# Altium PCB LimeSDR-X3_1v2.PcbDoc (part 3 of 25)
Units mm, origin at the board's own origin, x right, y up, seen from the top; angles counter-clockwise.
Board outline 232.5 x 111.15 mm, 12 copper layers (Top, L2, L3, L4, L5, L6, L7, L8, L9, L10, L11, Bottom), stack 1.596 mm thick; 2084 components, 1388 nets, 8919 pads, 3667 vias.
Unrouted connection lines stored in the file: 1.
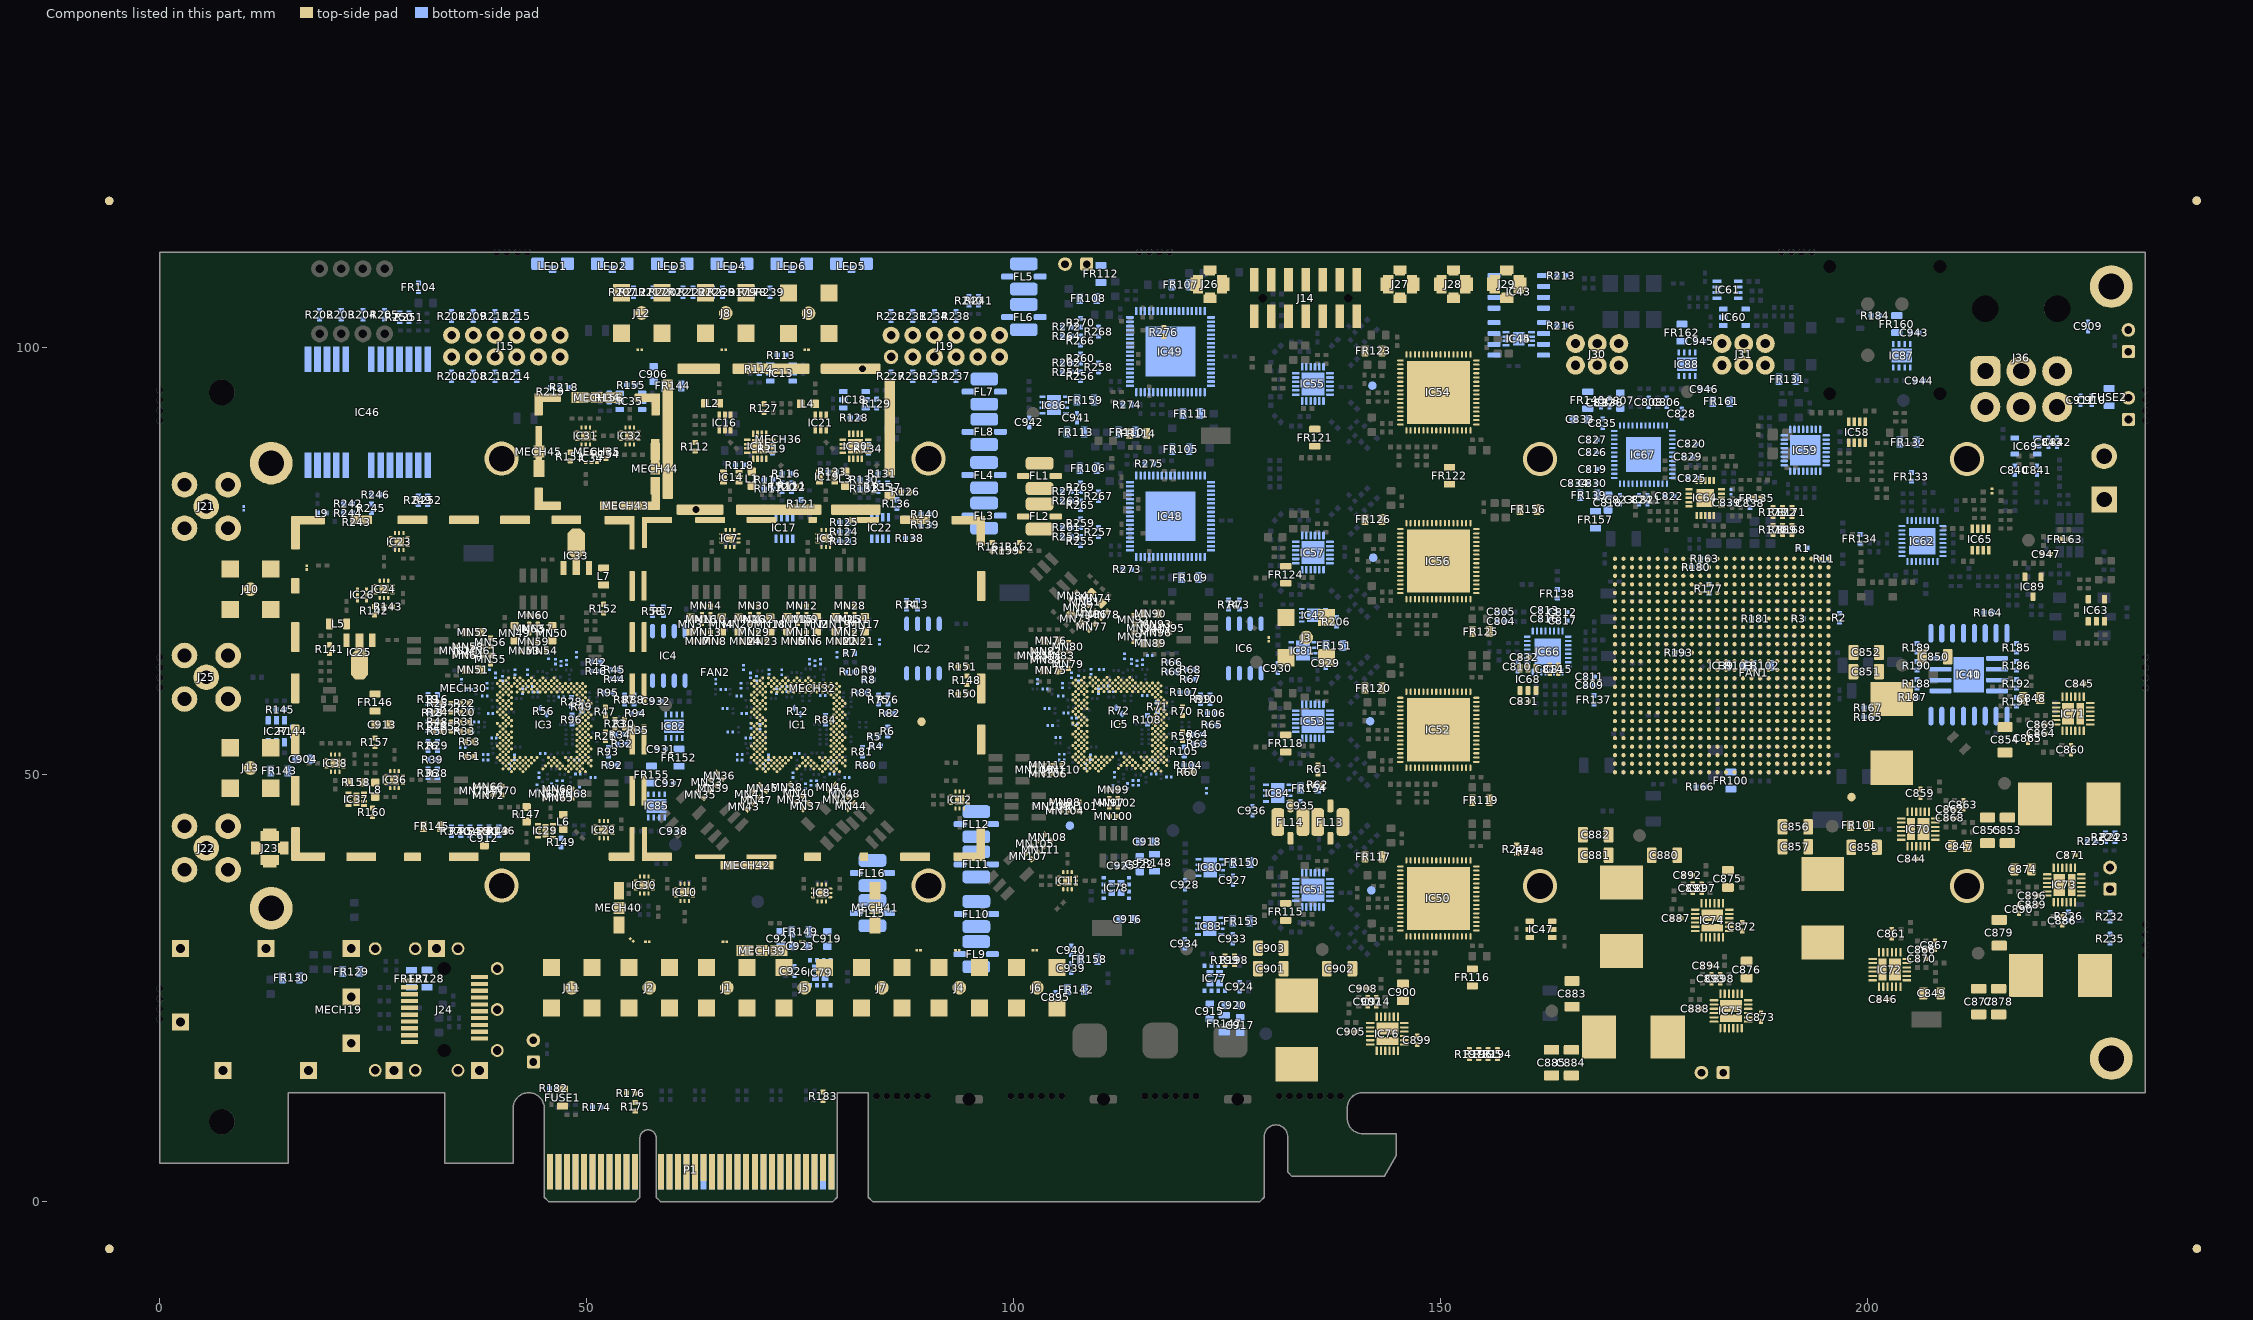
[diagram p13: the components of this part, seen from the top]

## Components (designator, comment, footprint, x,y, rotation, side; value= is the part's Value field where it differs from the comment) (continued)
C804 "47pF, 50V" CAP0402#1 157.089,67.943 r0 bottom
C805 "47pF, 50V" CAP0402#1 157.089,69.043 r0 bottom
C806 "100nF, 16V" CAP0402#1 176.435,93.589 r270 bottom
C807 "10uF, 6.3V" CAP0603#1 171.01,93.789 r90 bottom
C808 "1uF, 10V" CAP0402#1 174.345,93.589 r90 bottom
C809 "2.2uF, 16V" CAP0402#1 167.45,60.45 r0 bottom
C810 "100nF, 16V" CAP0402#1 158.954,62.65 r90 bottom
C811 "100pF, 50V" CAP0402#1 167.45,61.45 r0 bottom
C812 "2.2uF, 16V" CAP0402#1 164.239,69.015 r180 bottom
C813 "100nF, 16V" CAP0402#1 162.139,69.24 r180 bottom
C814 "100pF, 50V" CAP0402#2 162.75,62.354 r270 top
C815 "100pF, 50V" CAP0402#2 163.75,62.354 r270 top
C816 "100pF, 50V" CAP0402#1 162.139,68.24 r180 bottom
C817 "100pF, 50V" CAP0402#1 164.239,68.015 r180 bottom
C818 "10uF, 6.3V" CAP0603#1 169.56,81.844 r270 bottom
C819 "1uF, 10V" CAP0402#1 167.793,85.753 r180 bottom
C820 "1uF, 10V" CAP0402#1 179.374,88.725 r0 bottom
C821 "100nF, 16V" CAP0402#1 174.185,82.189 r90 bottom
C822 "100nF, 16V" CAP0402#1 176.76,82.614 r0 bottom
C823 "100nF, 16V" CAP0402#1 170.957,82.192 r90 bottom
C824 "100nF, 16V" CAP0402#1 173.185,82.189 r90 bottom
C825 "100nF, 16V" CAP0402#1 179.449,84.725 r180 bottom
C826 "100nF, 16V" CAP0402#1 167.793,87.728 r0 bottom
C827 "100nF, 16V" CAP0402#1 167.793,89.225 r0 bottom
C828 "100nF, 16V" CAP0402#1 178.199,92.275 r270 bottom
C829 "100nF, 16V" CAP0402#1 178.949,87.225 r180 bottom
C830 "100nF, 16V" CAP0402#1 167.785,84.114 r0 bottom
C831 "100nF, 16V" CAP0402#2 159.752,58.565 r180 top
C832 "100nF, 16V" CAP0402#2 159.777,63.74 r0 top
C833 "10uF, 6.3V" CAP0603#1 166.335,91.614 r180 bottom
C834 "1uF, 10V" CAP0402#1 165.685,84.114 r0 bottom
C835 "100nF, 16V" CAP0402#1 168.935,91.139 r90 bottom
C836 "100nF, 16V" CAP0402#1 169.735,93.564 r270 bottom
C837 "100pF, 50V" CAP0402#1 168.735,93.564 r270 bottom
C838 "100nF, 16V" CAP0402#1 186.225,81.775 r270 bottom
C839 "2.2uF, 16V" CAP0402#1 183.475,81.825 r0 bottom
C840 "100nF, 16V" CAP0402#1 217.2,85.625 r270 bottom
C841 "100nF, 16V" CAP0402#1 219.8,85.625 r270 bottom
C842 "100nF, 16V" CAP0402#1 222.15,88.925 r270 bottom
C843 "100pF, 50V" CAP0402#1 221.15,88.925 r90 bottom
C844 "100nF, 16V" CAP0402#2 205.15,40.125 r180 top
C845 "100nF, 16V" CAP0402#2 224.775,60.625 r0 top
C846 "100nF, 16V" CAP0402#2 201.8,23.675 r180 top
C847 "10uF, 25V" CAP0805#1 210.75,41.625 r180 top
C848 "10uF, 25V" CAP0805#2 219.175,58.95 r0 top
C849 "10uF, 25V" CAP0805#2 207.5,24.375 r180 top
C850 "220uF, 4V" CAP1206#2 207.85,63.8 r180 top
C851 "47uF, 6.3V" CAP1206#2 199.8,62.05 r0 top
C852 "220uF, 4V" CAP1206#2 199.8,64.301 r0 top
C853 "220uF, 4V" CAP1206#2 216.325,43.475 r90 top
C854 "47uF, 6.3V" CAP1206#2 216.05,54.075 r270 top
C855 "220uF, 4V" CAP1206#2 214,43.475 r90 top
C856 "220uF, 4V" CAP1206#2 191.5,43.875 r0 top
C857 "47uF, 6.3V" CAP1206#2 191.5,41.55 r0 top
C858 "220uF, 4V" CAP1206#2 199.55,41.475 r180 top
C859 "1uF, 10V" CAP0402#2 206.15,47.825 r90 top
C860 "1uF, 10V" CAP0402#2 223.775,52.925 r270 top
C861 "1uF, 10V" CAP0402#2 202.8,31.375 r90 top
C862 "68pF, 25V" CAP0402#2 209.65,45.925 r0 top
C863 "1500pF, 50V" CAP0402#2 211.189,46.475 r270 top
C864 "68pF, 25V" CAP0402#2 220.275,54.825 r180 top
C865 "1500pF, 50V" CAP0402#2 218.736,54.275 r90 top
C866 "68pF, 25V" CAP0402#2 206.3,29.475 r0 top
C867 "1500pF, 50V" CAP0402#2 207.85,30.025 r270 top
C868 "22nF, 50V" CAP0402#2 209.65,44.925 r0 top
C869 "22nF, 50V" CAP0402#2 220.275,55.85 r180 top
C870 "22nF, 50V" CAP0402#2 206.3,28.45 r0 top
C871 "100nF, 16V" CAP0402#2 223.75,40.575 r0 top
C872 "100nF, 16V" CAP0402#2 185.276,32.179 r270 top
C873 "100nF, 16V" CAP0402#2 187.475,21.575 r270 top
C874 "10uF, 25V" CAP0805#2 218.15,38.9 r0 top
C875 "10uF, 25V" CAP0805#2 183.601,37.78 r270 top
C876 "10uF, 25V" CAP0805#2 185.8,27.175 r270 top
C877 "100uF, 6.3V" CAP1206#2 212.975,23.425 r90 top
C878 "100uF, 6.3V" CAP1206#2 215.3,23.425 r90 top
C879 "100uF, 6.3V" CAP1206#2 215.375,31.475 r270 top
C880 "100uF, 6.3V" CAP1206#2 176.176,40.554 r180 top
C881 "100uF, 6.3V" CAP1206#2 168.126,40.554 r0 top
C882 "220uF, 4V" CAP1206#2 168.126,42.954 r0 top
C883 "47uF, 6.3V" CAP1206#2 165.35,24.325 r270 top
C884 "47uF, 6.3V" CAP1206#2 165.275,16.275 r90 top
C885 "100uF, 6.3V" CAP1206#2 162.95,16.275 r90 top
C886 "1uF, 10V" CAP0402#2 222.75,32.875 r270 top
C887 "1uF, 10V" CAP0402#2 177.576,33.179 r180 top
C888 "1uF, 10V" CAP0402#2 179.775,22.575 r180 top
C889 "8.2pF, 50V" CAP0402#2 219.25,34.775 r180 top
C890 "1200pF, 50V" CAP0402#2 217.7,34.225 r90 top
C891 "4.7pF, 50V" CAP0402#2 179.476,36.679 r90 top
C892 "1200pF, 50V" CAP0402#2 178.926,38.23 r0 top
C893 "4.7pF, 50V" CAP0402#2 181.675,26.075 r90 top
C894 "1200pF, 50V" CAP0402#2 181.125,27.625 r0 top
C895 "4.7uF, 6.3V" CAP0402#1 104.875,23.95 r90 bottom
C896 "22nF, 50V" CAP0402#2 219.25,35.8 r180 top
C897 "22nF, 50V" CAP0402#2 180.526,36.679 r90 top
C898 "22nF, 50V" CAP0402#2 182.7,26.075 r90 top
C899 "100nF, 16V" CAP0402#2 147.225,18.9 r270 top
C900 "10uF, 25V" CAP0805#2 145.55,24.5 r270 top
C901 "47uF, 6.3V" CAP1206#2 130.075,27.275 r0 top
C902 "47uF, 6.3V" CAP1206#2 138.125,27.275 r180 top
C903 "100uF, 6.3V" CAP1206#2 130.075,29.675 r0 top
C904 "10uF, 16V" CAP0603#1 16.8,51.825 r180 bottom
C905 "1uF, 10V" CAP0402#2 139.525,19.9 r180 top
C906 "10uF, 16V" CAP0603#1 57.8,96.9 r270 bottom
C907 "2.2pF" CAP0402#2 141.425,23.4 r90 top
C908 "1200pF, 50V" CAP0402#2 140.875,24.939 r0 top
C909 "22nF, 50V" CAP0402#1 225.775,102.475 r90 bottom
C910 "22nF, 50V" CAP0402#1 226.2,93.85 r270 bottom
C911 "22nF, 50V" CAP0402#1 224.9,93.85 r270 bottom
C912 "10uF, 16V" CAP0603#2 38,42.525 r90 top
C913 "10uF, 16V" CAP0603#2 26.041,55.866 r180 top
C914 "100nF, 16V" CAP0402#2 142.425,23.4 r270 top
C915 "22uF, 10V" CAP0603#1 122.95,22.275 r90 bottom
C916 "22uF, 10V" CAP0603#1 113.3,33.075 r0 bottom
C917 "10uF, 6.3V" CAP0603#1 126.475,20.675 r270 bottom
C918 "10uF, 6.3V" CAP0603#1 115.6,42.157 r0 bottom
C919 "22uF, 10V" CAP0603#1 78.15,30.75 r270 bottom
C920 "22uF, 10V" CAP0603#1 125.625,23 r180 bottom
C921 "10uF, 6.3V" CAP0603#1 72.7,30.75 r90 bottom
C922 "22uF, 10V" CAP0603#1 114.75,39.512 r270 bottom
C923 "22uF, 10V" CAP0603#1 74.975,29.925 r0 bottom
C924 "16pF, 50V" CAP0402#1 126.425,25.175 r90 bottom
C925 "16pF, 50V" CAP0402#1 112.55,39.3 r180 bottom
C926 "16pF, 50V" CAP0402#1 74.3,27 r270 bottom
C927 "4.7uF, 6.3V" CAP0402#1 125.655,37.636 r90 bottom
C928 "4.7uF, 6.3V" CAP0402#1 120.03,37.086 r90 bottom
C929 "4.7uF, 6.3V" CAP0402#1 136.525,63.025 r90 bottom
C930 "4.7uF, 6.3V" CAP0402#1 130.9,62.475 r90 bottom
C931 "4.7uF, 6.3V" CAP0402#1 58.691,52.988 r0 bottom
C932 "4.7uF, 6.3V" CAP0402#1 58.141,58.612 r0 bottom
C933 "4.7uF, 6.3V" CAP0402#1 125.621,30.761 r90 bottom
C934 "4.7uF, 6.3V" CAP0402#1 119.996,30.211 r90 bottom
C935 "4.7uF, 6.3V" CAP0402#1 133.555,46.336 r90 bottom
C936 "4.7uF, 6.3V" CAP0402#1 127.93,45.786 r90 bottom
C937 "4.7uF, 6.3V" CAP0402#1 59.639,49.005 r180 bottom
C938 "4.7uF, 6.3V" CAP0402#1 60.189,43.38 r180 bottom
C939 "1uF, 10V" CAP0402#1 106.7,27.349 r90 bottom
C940 "100nF, 16V" CAP0402#1 106.7,29.424 r90 bottom
C941 "4.7uF, 6.3V" CAP0402#1 107.375,91.787 r90 bottom
C942 "4.7uF, 6.3V" CAP0402#1 101.775,91.237 r90 bottom
C943 "4.7uF, 6.3V" CAP0402#1 205.45,101.75 r180 bottom
C944 "4.7uF, 6.3V" CAP0402#1 206,96.125 r180 bottom
C945 "4.7uF, 6.3V" CAP0402#1 180.3,100.75 r180 bottom
C946 "4.7uF, 6.3V" CAP0402#1 180.85,95.125 r180 bottom
C947 "100nF, 16V" CAP0402#2 220.875,75.8 r180 top
ESD1 "ESD8472" ESD8472_X3DFN2 66.15,30.421 r180 top
ESD2 "ESD8472" ESD8472_X3DFN2 57.075,30.421 r180 top
ESD3 "ESD8472" ESD8472_X3DFN2 129.85,65.825 r270 top
ESD4 "ESD8472" ESD8472_X3DFN2 93.375,29.421 r180 top
ESD5 "ESD8472" ESD8472_X3DFN2 75.225,30.421 r180 top
ESD6 "ESD8472" ESD8472_X3DFN2 102.45,29.421 r180 top
ESD7 "ESD8472" ESD8472_X3DFN2 88.825,29.425 r180 top
ESD8 "ESD8472" ESD8472_X3DFN2 66.022,99.729 r180 top
ESD9 "ESD8472" ESD8472_X3DFN2 75.724,99.729 r180 top
ESD10 "ESD8472" ESD8472_X3DFN2 17.2,74.25 r270 top
ESD11 "ESD8472" ESD8472_X3DFN2 55.25,30.625 r135 top
ESD12 "ESD8472" ESD8472_X3DFN2 56.171,99.754 r180 top
ESD13 "ESD8472" ESD8472_X3DFN2 14.775,50.55 r270 top
ESD14 "ESD8472" ESD8472_X3DFN2 9.825,81.175 r270 bottom
F1 "Fiducial" Fiducial 238.495,117.21 r0 top locked
F2 "Fiducial" Fiducial 238.525,-5.505 r180 bottom locked
F3 "Fiducial" Fiducial 238.525,-5.505 r0 top locked
F4 "Fiducial" Fiducial -5.945,117.18 r0 top locked
F5 "Fiducial" Fiducial -5.945,117.18 r180 bottom locked
F6 "Fiducial" Fiducial 238.495,117.21 r180 bottom locked
F7 "Fiducial" Fiducial -5.92,-5.535 r180 bottom locked
F8 "Fiducial" Fiducial -5.92,-5.535 r0 top locked
FAN1 "DC FAN 60mm (Top)" FAN_60mm 186.6,61.95 r0 top locked
FAN2 "DC FAN 60mm (Top)" FAN_60mm 65,62 r180 top locked
FD1 "Fiducial" Fiducial_local 106.55,44.025 r180 bottom
FD2 "Fiducial" Fiducial_local 198.075,47.375 r0 top
FD3 "Fiducial" Fiducial_local 108.575,70.075 r180 bottom
FD4 "Fiducial" Fiducial_local 89.175,56.2 r0 top
FL1 "LFCV-52+" LFCV-52+_LPF_v2 103,84.975 r180 top
FL2 "LFCV-52+" LFCV-52+_LPF_v2 103,80.225 r180 top
FL3 "LFCV-52+" LFCV-52+_LPF_v2 96.505,80.325 r180 bottom
FL4 "LFCV-52+" LFCV-52+_LPF_v2 96.505,85.075 r180 bottom
FL5 "LFCV-52+" LFCV-52+_LPF_v2 101.156,108.325 r180 bottom
FL6 "LFCV-52+" LFCV-52+_LPF_v2 101.156,103.575 r180 bottom
FL7 "LFCV-52+" LFCV-52+_LPF_v2 96.525,94.85 r180 bottom
FL8 "LFCV-52+" LFCV-52+_LPF_v2 96.525,90.127 r180 bottom
FL9 "LFCV-52+" LFCV-52+_LPF_v2 95.575,28.975 r0 bottom
FL10 "LFCV-52+" LFCV-52+_LPF_v2 95.6,33.675 r0 bottom
FL11 "LFCV-52+" LFCV-52+_LPF_v2 95.591,39.496 r0 bottom
FL12 "LFCV-52+" LFCV-52+_LPF_v2 95.591,44.196 r0 bottom
FL13 "LFCV-52+" LFCV-52+_LPF_v2 137.046,44.441 r90 top
FL14 "LFCV-52+" LFCV-52+_LPF_v2 132.371,44.441 r90 top
FL15 "LFCV-52+" LFCV-52+_LPF_v2 83.425,33.774 r0 bottom
FL16 "LFCV-52+" LFCV-52+_LPF_v2 83.425,38.474 r0 bottom
FL17 "Fiducial" Fiducial_local 141.85,36.439 r180 bottom
FL18 "Fiducial" Fiducial_local 141.7,56.25 r180 bottom
FL19 "Fiducial" Fiducial_local 142.075,75.4 r180 bottom
FL20 "Fiducial" Fiducial_local 141.975,95.55 r180 bottom
FR1 "600R, 0.27A" RES0201 78.878,48.217 r270 bottom value=600R@100MHz
FR2 "600R, 0.27A" RES0201 69.223,55.716 r270 bottom value=600R@100MHz
FR3 "600R, 0.27A" RES0201 79.256,64.024 r90 bottom value=600R@100MHz
FR4 "600R, 0.27A" RES0201 72.197,59.76 r90 bottom value=600R@100MHz
FR5 "600R, 0.27A" RES0201 67.798,59.185 r180 bottom value=600R@100MHz
FR6 "600R, 0.27A" RES0201 70.247,55.585 r270 bottom value=600R@100MHz
FR7 "600R, 0.27A" RES0201 71.272,52.035 r270 bottom value=600R@100MHz
FR8 "600R, 0.27A" RES0201 70.691,50.977 r270 bottom value=600R@100MHz
FR9 "600R, 0.27A" RES0201 75.597,48.635 r270 bottom value=600R@100MHz
FR10 "600R, 0.27A" RES0201 76.247,49.01 r270 bottom value=600R@100MHz
FR11 "600R, 0.27A" RES0201 76.897,49.004 r270 bottom value=600R@100MHz
FR12 "600R, 0.27A" RES0201 68.353,62.542 r90 bottom value=600R@100MHz
FR13 "600R, 0.27A" RES0201 78.547,51.585 r0 bottom value=600R@100MHz
FR14 "600R, 0.27A" RES0201 77.6,59.257 r0 bottom value=600R@100MHz
FR15 "600R, 0.27A" RES0201 84.25,65.521 r270 bottom value=600R@100MHz
FR16 "600R, 0.27A" RES0201 76.047,63.235 r90 bottom value=600R@100MHz
FR17 "600R, 0.27A" RES0201 71.331,62.019 r90 bottom value=600R@100MHz
FR18 "600R, 0.27A" RES0201 66.172,57.72 r180 bottom value=600R@100MHz
FR19 "600R, 0.27A" RES0201 73.953,48.487 r270 bottom value=600R@100MHz
FR20 "600R, 0.27A" RES0201 66.79,54.974 r180 bottom value=600R@100MHz
FR21 "600R, 0.27A" RES0201 67.883,52.367 r180 bottom value=600R@100MHz
FR22 "600R, 0.27A" RES0201 67.878,51.715 r180 bottom value=600R@100MHz
FR23 "600R, 0.27A" RES0201 76.703,63.037 r90 bottom value=600R@100MHz
FR24 "600R, 0.27A" RES0201 68.047,60.413 r90 bottom value=600R@100MHz
FR25 "600R, 0.27A" RES0201 68.398,57.176 r0 bottom value=600R@100MHz
FR26 "600R, 0.27A" RES0201 68.872,54.285 r0 bottom value=600R@100MHz
FR27 "600R, 0.27A" RES0201 74.146,49.938 r270 bottom value=600R@100MHz
FR28 "600R, 0.27A" RES0201 74.581,52.494 r180 bottom value=600R@100MHz
FR29 "600R, 0.27A" RES0201 73.697,59.715 r180 bottom value=600R@100MHz
FR30 "600R, 0.27A" RES0201 73.089,60.332 r180 bottom value=600R@100MHz
FR31 "600R, 0.27A" RES0201 72.81,61.985 r270 bottom value=600R@100MHz
FR32 "600R, 0.27A" RES0201 65.947,59.985 r0 bottom value=600R@100MHz
FR33 "600R, 0.27A" RES0201 78.686,50.044 r0 bottom value=600R@100MHz
FR34 "600R, 0.27A" RES0201 49.128,48.217 r270 bottom value=600R@100MHz
FR35 "600R, 0.27A" RES0201 37.061,56.132 r180 bottom value=600R@100MHz
FR36 "600R, 0.27A" RES0201 48.756,64.024 r90 bottom value=600R@100MHz
FR37 "600R, 0.27A" RES0201 42.447,59.76 r90 bottom value=600R@100MHz
FR38 "600R, 0.27A" RES0201 38.023,59.185 r180 bottom value=600R@100MHz
FR39 "600R, 0.27A" RES0201 35.444,53.182 r180 bottom value=600R@100MHz
FR40 "600R, 0.27A" RES0201 41.522,52.035 r270 bottom value=600R@100MHz
FR41 "600R, 0.27A" RES0201 40.941,50.977 r270 bottom value=600R@100MHz
FR42 "600R, 0.27A" RES0201 45.847,48.66 r270 bottom value=600R@100MHz
FR43 "600R, 0.27A" RES0201 46.497,49.01 r270 bottom value=600R@100MHz
FR44 "600R, 0.27A" RES0201 47.147,49.01 r270 bottom value=600R@100MHz
FR45 "600R, 0.27A" RES0201 38.603,62.542 r90 bottom value=600R@100MHz
FR46 "600R, 0.27A" RES0201 48.797,51.685 r0 bottom value=600R@100MHz
FR47 "600R, 0.27A" RES0201 46.997,59.11 r0 bottom value=600R@100MHz
FR48 "600R, 0.27A" RES0201 45.498,63.855 r90 bottom value=600R@100MHz
FR49 "600R, 0.27A" RES0201 46.297,63.235 r90 bottom value=600R@100MHz
FR50 "600R, 0.27A" RES0201 41.581,61.994 r90 bottom value=600R@100MHz
FR51 "600R, 0.27A" RES0201 36.397,57.685 r180 bottom value=600R@100MHz
FR52 "600R, 0.27A" RES0201 44.153,48.512 r270 bottom value=600R@100MHz
FR53 "600R, 0.27A" RES0201 36.39,54.974 r180 bottom value=600R@100MHz
FR54 "600R, 0.27A" RES0201 38.133,52.367 r180 bottom value=600R@100MHz
FR55 "600R, 0.27A" RES0201 38.128,51.715 r180 bottom value=600R@100MHz
FR56 "600R, 0.27A" RES0201 46.953,63.012 r90 bottom value=600R@100MHz
FR57 "600R, 0.27A" RES0201 38.272,60.413 r90 bottom value=600R@100MHz
FR58 "600R, 0.27A" RES0201 38.698,57.176 r0 bottom value=600R@100MHz
FR59 "600R, 0.27A" RES0201 39.122,54.26 r0 bottom value=600R@100MHz
FR60 "600R, 0.27A" RES0201 44.396,49.938 r270 bottom value=600R@100MHz
FR61 "600R, 0.27A" RES0201 44.831,52.494 r180 bottom value=600R@100MHz
FR62 "600R, 0.27A" RES0201 43.947,59.685 r180 bottom value=600R@100MHz
FR63 "600R, 0.27A" RES0201 43.339,60.332 r180 bottom value=600R@100MHz
FR64 "600R, 0.27A" RES0201 43.047,61.985 r270 bottom value=600R@100MHz
FR65 "600R, 0.27A" RES0201 36.197,59.985 r0 bottom value=600R@100MHz
FR66 "600R, 0.27A" RES0201 48.936,50.044 r0 bottom value=600R@100MHz
FR67 "600R, 0.27A" RES0201 122.575,48.12 r270 bottom value=600R@100MHz
FR68 "600R, 0.27A" RES0201 107.045,56.6 r180 bottom value=600R@100MHz
FR69 "600R, 0.27A" RES0201 115.92,63.975 r180 bottom value=600R@100MHz
FR70 "600R, 0.27A" RES0201 109.887,59.776 r90 bottom value=600R@100MHz
FR71 "600R, 0.27A" RES0201 105.488,59.201 r180 bottom value=600R@100MHz
FR72 "600R, 0.27A" RES0201 107.15,55.95 r180 bottom value=600R@100MHz
FR73 "600R, 0.27A" RES0201 108.962,52.051 r270 bottom value=600R@100MHz
FR74 "600R, 0.27A" RES0201 108.379,50.98 r270 bottom value=600R@100MHz
FR75 "600R, 0.27A" RES0201 113.287,48.676 r270 bottom value=600R@100MHz
FR76 "600R, 0.27A" RES0201 113.937,49.026 r270 bottom value=600R@100MHz
FR77 "600R, 0.27A" RES0201 114.587,49.026 r270 bottom value=600R@100MHz
FR78 "600R, 0.27A" RES0201 106.043,62.559 r90 bottom value=600R@100MHz
FR79 "600R, 0.27A" RES0201 116.237,51.701 r0 bottom value=600R@100MHz
FR80 "600R, 0.27A" RES0201 115.323,59.262 r0 bottom value=600R@100MHz
FR81 "600R, 0.27A" RES0201 112.938,63.846 r90 bottom value=600R@100MHz
FR82 "600R, 0.27A" RES0201 113.737,63.251 r90 bottom value=600R@100MHz
FR83 "600R, 0.27A" RES0201 109.021,62.035 r90 bottom value=600R@100MHz
FR84 "600R, 0.27A" RES0201 103.862,57.736 r180 bottom value=600R@100MHz
FR85 "600R, 0.27A" RES0201 111.618,48.454 r270 bottom value=600R@100MHz
FR86 "600R, 0.27A" RES0201 104.231,55.741 r180 bottom value=600R@100MHz
FR87 "600R, 0.27A" RES0201 105.598,52.383 r180 bottom value=600R@100MHz
FR88 "600R, 0.27A" RES0201 105.593,51.731 r180 bottom value=600R@100MHz
FR89 "600R, 0.27A" RES0201 114.393,63.029 r90 bottom value=600R@100MHz
FR90 "600R, 0.27A" RES0201 105.712,60.43 r90 bottom value=600R@100MHz
FR91 "600R, 0.27A" RES0201 106.088,57.192 r0 bottom value=600R@100MHz
FR92 "600R, 0.27A" RES0201 105.162,54.326 r0 bottom value=600R@100MHz
FR93 "600R, 0.27A" RES0201 111.79,49.995 r270 bottom value=600R@100MHz
FR94 "600R, 0.27A" RES0201 112.271,52.51 r180 bottom value=600R@100MHz
FR95 "600R, 0.27A" RES0201 111.362,59.701 r180 bottom value=600R@100MHz
FR96 "600R, 0.27A" RES0201 110.78,60.349 r180 bottom value=600R@100MHz
FR97 "600R, 0.27A" RES0201 110.245,62.281 r180 bottom value=600R@100MHz
FR98 "600R, 0.27A" RES0201 103.637,60.001 r0 bottom value=600R@100MHz
FR99 "600R, 0.27A" RES0201 116.376,50.06 r0 bottom value=600R@100MHz
FR100 "600R, 2A" RES0805#1 183.95,49.3 r270 bottom
FR101 "600R, 2A" RES0805#2 198.964,44.057 r180 top
FR102 "600R, 2A" RES0805#1 187.575,62.775 r180 bottom
FR103 "600R, 2A" RES0805#1 184.5,62.775 r0 bottom
FR104 "Ferrite" RES0402#1 30.275,107.05 r270 bottom value="600R, 0.5A"
FR105 "600R, 2A" RES0805#1 119.541,88.101 r180 bottom
FR106 "600R, 2A" RES0805#1 108.702,85.877 r0 bottom
FR107 "600R, 2A" RES0805#1 119.504,107.364 r180 bottom
FR108 "600R, 2A" RES0805#1 108.702,105.752 r0 bottom
FR109 "600R, 2A" RES0805#1 120.629,73.077 r180 bottom
FR110 "600R, 2A" RES0805#1 113.227,90.102 r0 bottom
FR111 "600R, 2A" RES0805#1 120.777,92.265 r180 bottom
FR112 "600R, 2A" RES0805#1 110.175,108.625 r270 bottom
FR113 "600R, 2A" RES0805#1 107.228,90.102 r180 bottom
FR114 "600R, 2A" RES0805#2 114.549,89.925 r0 top
FR115 "600R, 2A" RES0805#2 131.825,33.925 r90 top
FR116 "600R, 2A" RES0805#2 153.675,26.25 r90 top
FR117 "600R, 2A" RES0805#2 142.1,40.375 r0 top
FR118 "600R, 2A" RES0805#2 131.825,53.65 r90 top
FR119 "600R, 2A" RES0805#2 154.675,47 r180 top
FR120 "600R, 2A" RES0805#2 142.1,60.125 r0 top
FR121 "600R, 2A" RES0805#2 135.225,89.45 r90 top
FR122 "600R, 2A" RES0805#2 151,85 r90 top
FR123 "600R, 2A" RES0805#2 142.1,99.625 r0 top
FR124 "600R, 2A" RES0805#2 131.825,73.4 r90 top
FR125 "600R, 2A" RES0805#2 154.675,66.75 r180 top
FR126 "600R, 2A" RES0805#2 142.1,79.875 r0 top
FR127 "600R, 2A" RES0805#1 29.457,26.093 r270 bottom
FR128 "600R, 2A" RES0805#1 31.25,26.1 r270 bottom
FR129 "600R, 2A" RES0805#1 22.4,26.925 r180 bottom
FR130 "600R, 2A" RES0805#1 15.35,26.2 r180 bottom
FR131 "600R, 2A" RES0805#1 190.575,96.3 r180 bottom
FR132 "600R, 2A" RES0805#1 204.725,88.937 r0 bottom
FR133 "Ferrite" RES0402#1 205.1,84.875 r270 bottom value="600R, 0.5A"
FR134 "Ferrite" RES0402#1 199.05,77.6 r270 bottom value="600R, 0.5A"
FR135 "Ferrite" RES0402#2 186.975,82.375 r180 top value="600R, 0.5A"
FR136 "Ferrite" RES0201 214.525,83.205 r90 top value="600R, 0.27A"
FR137 "Ferrite" RES0402#1 167.918,58.768 r90 bottom value="600R, 0.5A"
FR138 "Ferrite" RES0402#1 163.625,71.175 r270 bottom value="600R, 0.5A"
FR139 "600R, 2A" RES0805#1 167.31,82.714 r180 bottom
FR140 "600R, 2A" RES0805#1 167.185,93.839 r90 bottom
FR141 "Ferrite" RES0201 183.975,83.105 r270 bottom value="600R, 0.27A"
FR142 "600R, 2A" RES0805#1 107.274,24.825 r180 bottom
FR143 "600R, 2A" RES0805#1 13.975,50.425 r0 bottom
FR144 "600R, 2A" RES0805#1 60.05,95.525 r180 bottom
FR145 "600R, 2A" RES0805#2 31.85,43.925 r0 top
FR146 "600R, 2A" RES0805#2 25.191,58.45 r270 top
FR147 "600R, 2A" RES0805#1 124.625,20.825 r270 bottom
FR148 "600R, 2A" RES0805#1 116.45,39.675 r90 bottom
FR149 "600R, 2A" RES0805#1 74.975,31.6 r180 bottom
FR150 "600R, 2A" RES0805#1 126.655,39.711 r180 bottom
FR151 "600R, 2A" RES0805#1 137.525,65.1 r180 bottom
FR152 "600R, 2A" RES0805#1 60.766,51.987 r90 bottom
FR153 "600R, 2A" RES0805#1 126.621,32.836 r180 bottom
FR154 "600R, 2A" RES0805#1 134.555,48.411 r180 bottom
FR155 "600R, 2A" RES0805#1 57.564,50.005 r270 bottom
FR156 "600R, 2A" RES0805#2 160.25,81.05 r180 top
FR157 "600R, 2A" RES0805#1 168.085,79.84 r90 bottom
FR158 "600R, 2A" RES0805#1 108.8,28.375 r180 bottom
FR159 "600R, 2A" RES0805#1 108.375,93.862 r180 bottom
FR160 "600R, 2A" RES0805#1 203.375,102.75 r270 bottom
FR161 "600R, 2A" RES0805#1 182.825,93.7 r180 bottom
FR162 "600R, 2A" RES0805#1 178.225,101.75 r270 bottom
FR163 "Ferrite" RES0402#2 223.025,77.575 r180 top value="600R, 0.5A"
FUSE1 "0R" RES0805#2 47.15,12.175 r270 top
FUSE2 "0R" RES0805#1 228.25,94.2 r90 bottom
IC1 "LMS7002M" LMS7002M_v5 74.581,55.844 r0 top
IC2 "CAT24C128WI-GT3" SOIC127P600-8DL_v2#1 89.341,64.807 r90 bottom
IC3 "LMS7002M" LMS7002M_v5 44.831,55.844 r0 top locked
IC4 "CAT24C128WI-GT3" SOIC127P600-8DL_v2#1 59.591,63.957 r90 bottom
IC5 "LMS7002M" LMS7002M_v5 112.225,55.9 r0 top
IC6 "CAT24C128WI-GT3" SOIC127P600-8DL_v2#1 127.031,64.823 r90 bottom
IC7 "PE42422" PE42422_QFN12#1 66.747,77.66 r180 top
IC8 "PE42422" PE42422_QFN12#1 77.488,36.145 r0 top
IC9 "PE42422" PE42422_QFN12#1 77.973,77.66 r180 top
IC10 "PE42422" PE42422_QFN12#1 61.44,36.22 r0 top